# KiCad board 8-Bit CPU 32k.kicad_pcb (continued)
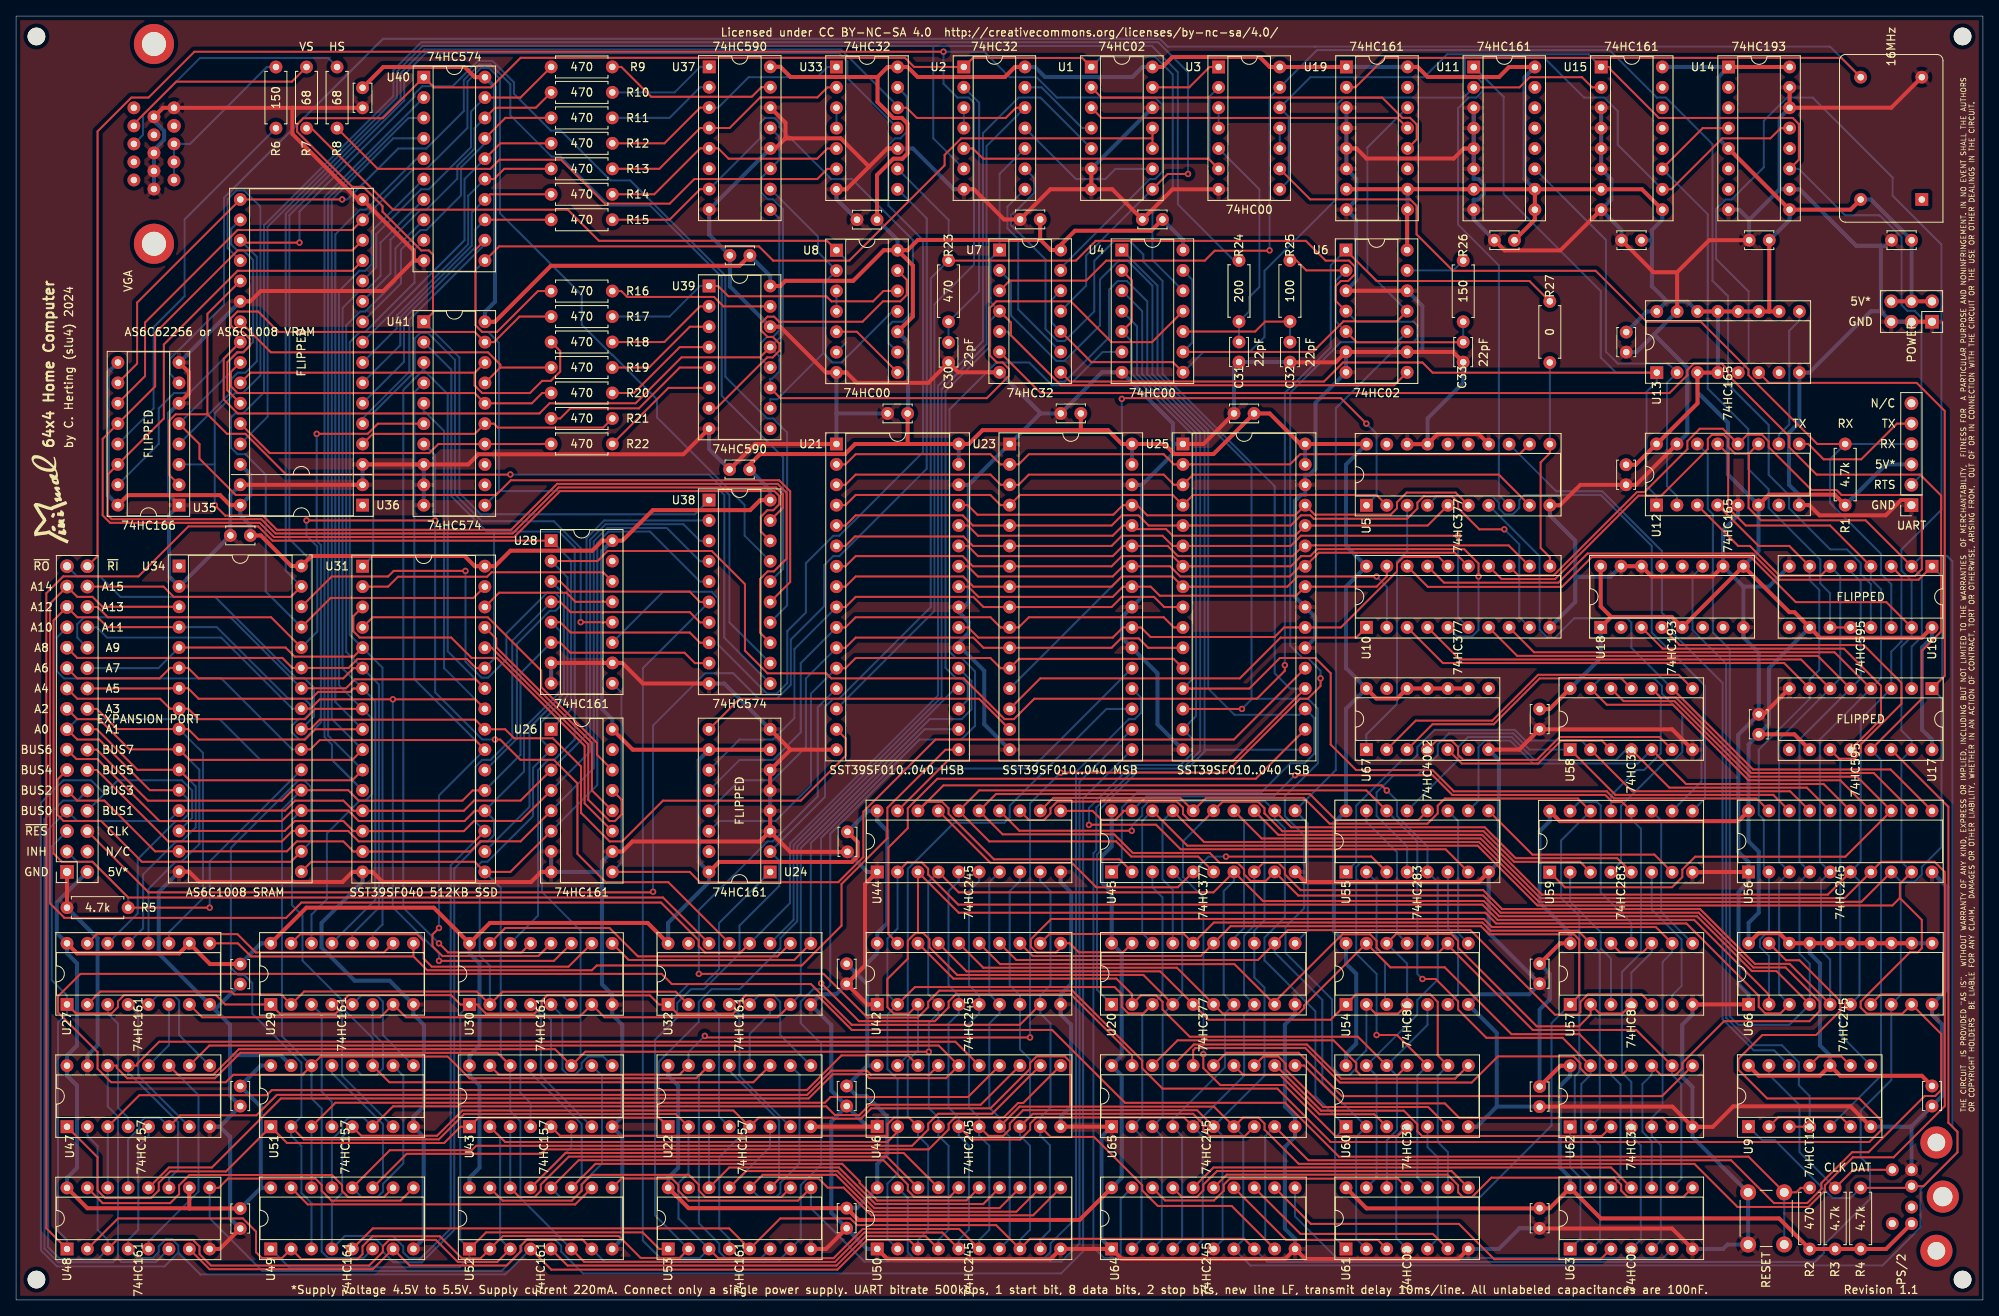
[diagram p0: board, top side]
## Routing (per net, layer and track width the routed paths; a pad name or vN(x,y) marks a point on that pad's centre or on a via; arc(x,y) is an arc through that point) (continued)
/ALU/BUS4: length 734.8
  Top w0.25: U28.3 67.81,89.56 69.08,88.28 83.94,88.28 85.23,86.99 U38.6 ; U46.6 121.17,20.45 123.03,20.45 123.83,21.25 123.83,21.99 125.49,23.65 147.18,23.65 U65.6 ; U10.13 187.2,90.31 191.61,90.31 202,100.7 202.93,100.7 208.28,106.05 208.28,107.05 209.82,108.58 212.7,108.58 214.59,106.69 215.74,107.84 217.58,107.84 218.4,107.01 218.4,106.29 223.75,100.95 226.86,100.95 227.48,100.33 237.49,100.33 237.49,91.07 236.65,90.23 234.89,90.23 U16.3 ; U45.13 157.31,57.97 182.7,57.97 190.15,50.52 225.78,50.52 U56.6 ; J3.11 5.16,64.86 5.16,60.45 5.91,59.7 10.59,59.7 15.68,54.61 34.25,54.61 U34.18 ; U51.2 35.86,20.01 52.68,20.01 55.83,23.17 82.22,23.17 U22.2 ; U53.3 87.51,5.2 101.88,5.2 105.52,8.85 117.53,8.85 U50.6
  Bottom w0.25: U44.6 120.02,52.21 118.74,50.94 118.74,39.24 120.02,37.97 U42.6 120.02,35.71 118.74,34.44 118.74,24 120.02,22.73 U46.6 120.02,20.47 121.29,19.21 121.29,8.75 120.02,7.49 U50.6 ; U22.2 83.8,15.82 82.55,14.57 82.55,10.16 U53.3 85.22,5.23 80.27,5.23 78.11,7.4 78.11,78.73 U38.6 ; U66.6 229.73,37.97 229.73,52.21 U56.6 229.87,54.61 229.87,72.39 U17.3 233.68,80.79 234.95,82.06 234.95,90.17 U16.3 ; U64.6 150.36,7.49 150.36,20.47 U65.6 155.57,27.94 155.57,38.92 154.31,40.18 U20.13 154.31,46.05 155.57,47.31 155.57,59.7 U45.13 ; U49.3 36.82,12.07 35.56,13.34 35.56,19.18 34.28,20.46 U51.2 35.56,22.87 35.56,29.57 29.44,35.69 29.44,39.5 28.44,40.49 27.69,40.49 26.77,41.4 26.77,56.35 35.2,64.77 35.92,64.77 36.76,63.92 36.76,57.12 U34.18 ; U31.18 63.98,61.45 63.98,71.32 68.27,75.6 68.27,87.97 U28.3
/ALU/BUS5: length 934.4
  Top w0.25: 215.94,105.5 215.94,100.25 215.9,100.2 215.9,98.71 217.44,97.17 230.49,97.17 U16.2 ; 215.94,105.5 214.2,105.5 213.35,106.35 213.35,107.3 212.83,107.81 211.32,107.81 210.82,107.31 210.82,106.05 205.02,100.25 202.19,100.25 198.9,96.96 191.79,89.85 185.12,89.85 U10.14 ; 215.94,105.5 U12.11 ; 240.35,38.1 240.35,53.34 239.08,54.61 232.41,54.61 U56.7 227.87,50.07 189.96,50.07 182.51,57.52 155.22,57.52 U45.14 ; 240.35,38.1 240.35,24.16 233.97,17.78 228.9,17.78 225.42,14.3 225.42,13.64 223.37,11.59 214.52,11.59 209.15,16.96 159.85,16.96 155.58,21.23 155.58,21.98 154.83,22.73 152.9,22.73 U65.7 149.27,24.1 131.35,24.1 ; 240.35,38.1 232.4,38.1 U66.7 ; U28.4 67.81,87.01 69.1,85.72 83.96,85.72 85.23,84.45 U38.7 ; U51.5 43.03,20.46 52.46,20.46 55.62,23.62 89.39,23.62 U22.5 92.55,22.72 101.74,22.72 101.86,22.6 105.29,22.6 106.57,23.88 121.43,23.88 126.37,28.82 126.37,29.55 127.18,30.37 130.69,30.37 131.35,29.71 131.35,24.1 ; U46.7 125.06,24.1 131.35,24.1 ; U31.19 57.14,57.15 42.7,57.15 41.39,58.45 U34.19 34.43,58.45 33.12,57.15 18.97,57.15 10.07,66.05 J3.12
  Bottom w0.25: U28.4 61.84,82.17 61.84,70.03 59.12,67.31 58.09,67.31 57.26,66.48 57.26,59.59 U31.19 54.16,54.17 54.16,8.91 50.44,5.19 49,5.19 48.25,5.94 48.25,6.68 46.95,7.98 40.98,7.98 U49.4 39.36,12.06 40.64,13.34 40.64,20.33 U51.5 ; U20.14 151.77,45.1 153.04,46.36 153.04,59.7 U45.14 ; 122.55,53.34 121.29,52.07 121.29,38.12 U42.7 122.56,35.71 121.29,34.44 121.29,24 122.56,22.73 U46.7 123.83,20.34 123.83,7.62 U50.7 ; U17.2 236.22,81.42 237.49,82.69 237.49,90.17 U16.2 237.49,92.71 240.66,92.71 241.3,92.07 241.3,21.59 241.94,20.95 241.94,18.41 237.33,13.81 237.33,9.06 232.57,4.3 153.83,4.3 U64.7 152.94,7.53 152.94,20.43 U65.7 ; U22.5 87.63,17.8 87.63,8.89 88.89,7.63 U53.4
/ALU/BUS6: length 876.1
  Top w0.25: U51.11 46.52,27.13 91.88,27.13 U22.11 ; U45.17 148.05,57.07 182.32,57.07 189.78,49.62 229.96,49.62 U56.8 ; U46.8 126.7,23.2 146.68,23.2 147.96,21.92 147.96,21.2 148.72,20.44 153.15,20.44 U65.8 ; U16.1 237.08,89.76 219.64,89.76 216.38,93.03 195.83,93.03 192.2,89.4 177.95,89.4 U10.17 ; U17.1 240.35,77.79 240.35,110.81 236.85,114.3 218.44,114.3 U13.6 ; U64.8 153.05,7.62 126.36,7.62 U50.8 122.13,9.33 104.81,9.33 103.97,10.16 95.23,10.16 U53.5 88.87,8.92 44.46,8.92 U49.5 ; J3.13 7.52,67.42 10.14,67.42 17.87,59.69 33.12,59.69 34.43,61 U34.20 41.39,61 42.7,59.69 55.88,59.69 57.16,60.97 U31.20 ; U38.8 85.23,81.91 83.96,83.19 69.1,83.19 67.81,84.47 U28.5
  Bottom w0.25: U34.20 34.39,59.83 34.39,49.21 35.69,47.91 35.69,42.3 40.77,37.22 40.77,36.29 44.44,32.62 U51.11 ; 234.88,52.14 236.62,52.14 237.49,53.02 237.49,53.97 239.94,56.43 239.94,75.02 U17.1 240.03,77.47 240.03,90.17 U16.1 ; 234.88,52.14 234.88,38.03 U66.8 233.69,27.39 229.87,23.58 229.87,17.82 231.04,16.65 231.04,12.6 225.28,6.84 225.28,5.84 224.19,4.75 155.92,4.75 U64.8 ; 234.88,52.14 U56.8 ; 125.09,53.34 125.09,52.21 123.83,50.94 123.83,39.24 125.1,37.97 U42.8 125.1,31.24 126.36,29.98 126.36,22.87 U46.8 125.1,20.47 126.36,19.21 126.36,8.75 125.1,7.49 U50.8 ; U28.5 67.81,83.35 67.81,75.78 63.31,71.28 63.31,65.86 U31.20 59.57,59.82 59.57,57.94 58.79,57.16 58.02,57.16 54.61,53.75 54.61,8.72 50.58,4.69 47.04,4.69 45.71,6.02 45.71,6.7 44.88,7.53 43.07,7.53 U49.5 ; U20.17 144.15,51.13 142.88,52.4 142.88,59.69 U45.17
/ALU/BUS7: length 988.1
  Top w0.25: U42.9 125.1,34.3 104.13,34.3 99.06,39.37 81.72,39.37 80.45,40.64 8.03,40.64 5.22,37.84 5.22,35.84 10.16,30.9 10.16,28.81 11.83,27.13 26.14,27.13 27.07,28.06 35.67,28.06 U51.14 37.95,30.34 53.79,30.34 56.49,27.63 84.76,27.63 U22.14 ; U46.9 128.93,20.31 134.34,20.31 140.33,14.32 140.33,13.66 142.28,11.71 151.5,11.71 U64.9 ; U16.15 233.07,86.97 221.79,86.97 216.18,92.58 196.35,92.58 192.65,88.88 175.93,88.88 U10.18 ; 234.76,50.1 237.49,47.37 237.49,43.84 236.98,43.33 236.02,43.33 229.87,37.19 229.87,36.46 230.65,35.68 235.06,35.68 U66.9 239.9,33.16 239.9,26.16 239.16,25.42 237.85,25.42 230.84,18.41 228.81,18.41 224.97,14.58 224.97,13.83 223.21,12.07 219.07,12.07 213.73,17.41 161.04,17.41 U65.9 ; 234.76,50.1 233.83,49.17 189.59,49.17 182.14,56.62 145.96,56.62 U45.18 ; 234.76,50.1 234.76,51.88 U56.9 ; J3.14 10.07,68.59 16.43,62.23 33.12,62.23 34.43,63.53 U34.21 41.39,63.53 42.7,62.23 55.63,62.23 56.91,63.51 U31.21 ; U28.6 67.81,81.94 69.08,80.66 83.3,80.66 84.6,79.37 U38.9
  Bottom w0.25: U34.21 33.14,61.12 33.14,32.89 U51.14 36.82,25.12 38.09,23.84 38.09,6.03 38.9,5.22 43.3,5.22 U49.6 ; U13.5 215.9,116.86 215.9,125.71 211.85,129.75 211.85,135.96 213.05,137.16 213.79,137.16 217.81,141.18 217.81,146.97 220.7,149.86 223.9,149.86 233.86,139.9 233.86,137.62 239.94,131.54 239.94,98.5 234.95,93.51 234.95,90.91 236.22,89.64 U16.15 236.22,82.69 234.95,81.42 234.95,70.98 236.22,69.71 U17.15 234.95,67.31 234.95,54.61 U56.9 ; U50.9 127.64,7.49 128.83,8.68 128.83,19.28 127.64,20.47 U46.9 127.64,22.73 128.9,23.99 128.9,34.45 127.64,35.71 U42.9 127.64,37.97 128.9,39.23 128.9,50.94 127.64,52.21 U44.9 ; U22.14 85.09,27.96 85.09,9.55 87.63,7.01 87.63,6 88.4,5.23 92.84,5.23 U53.6 ; U64.9 155.67,7.54 155.67,20.42 U65.9 ; U45.18 140.33,59.69 140.33,45.73 U20.18 ; U31.21 62.86,67.95 62.86,78.11 U28.6
/ALU/C_FLG: length 70.4
  Bottom w0.25: U59.9 210.48,62.51 210.48,76.54 203.83,83.19 203.83,93.98 197.48,100.33 187.96,100.33 187.33,99.7 187.33,98.71 186.51,97.9 185.54,97.9 184.78,98.66 184.78,99.37 183.98,100.17 177.03,100.17 U5.4
/ALU/EC: length 127.6
  Top w0.25: v1(133.7,59.2) 133.73,59.23 142.06,59.23 145.12,56.17 178.14,56.17 U55.7
  Bottom w0.25: v1(133.7,59.2) 133.7,61.31 139.06,66.67 145.12,66.67 146.59,68.14 146.59,69.94 U25.15 147.04,72.75 147.04,108.04 139.7,115.38 139.7,121.34 U4.4
/ALU/ES: length 213.1
  Top w0.25: 201.29,36.83 200.17,35.71 197.34,35.71 196.21,36.83 196.21,35.56 194.76,34.1 189.51,34.1 179.7,43.91 179.7,44.77 178.86,45.61 171.98,45.61 U54.12 ; 203.83,44.45 202.71,43.33 199.88,43.33 U57.12 ; U54.2 169.41,35.7 172.22,35.7 U54.4 ; U25.14 v1(152.77,73.66) ; 175.89,45.61 175.89,44.46
  Bottom w0.25: U4.1 142.24,126.42 142.24,115.39 153.96,103.67 153.96,74.85 ; U54.12 173.35,41.91 U54.4 ; 203.83,44.45 203.83,43.32 201.29,40.78 201.29,36.83 ; U54.2 168.27,31.12 167,29.84 167,28.89 166.18,28.06 164.98,28.06 164,29.04 164,37.46 158.19,43.26 158.19,46.5 160.52,48.82 160.52,57.91 158.12,60.31 158.12,62.77 162.24,66.89 162.24,73.68 160.99,74.93 154.04,74.93 153.96,74.85 ; 153.96,74.85 v1(152.77,73.66)
/ALU/N_FLG: length 98.5
  Top w0.25: U56.11 233.6,66.12 216.46,66.12 U58.9
  Bottom w0.25: U5.7 189.87,92.7 189.87,83.51 190.83,82.55 191.77,82.55 194.17,84.95 200.77,84.95 201.29,84.43 201.29,81.28 U58.9 210.03,72.55 210.03,64.6 U59.10
/ALU/Z_FLG: length 32.6
  Bottom w0.25: U5.3 173.36,93.33 172.08,92.06 172.08,74.29 168.27,70.48 U67.1
/ALU/~{AND}: length 145.4
  Bottom w0.25: U64.19 137.66,12.57 137.66,5.36 137.53,5.23 135.59,5.23 134.26,6.57 134.26,55.69 134.62,56.06 134.62,61.38 139.47,66.23 145.35,66.23 147.56,68.44 147.56,108.16 140.33,115.38 140.33,123.25 U4.3
/ALU/~{EO}: length 145
  Top w0.25: U4.5 139.06,121.96 139.06,127.06 U4.2 ; U56.19 216.9,62.5 199.12,62.5 198.23,63.39 179.18,63.39 176.53,66.04 167,66.04 163.83,69.22 163.83,78.1 161.93,80.01 157.5,80.01 153.69,76.2 U25.13
  Bottom w0.25: U25.13 146.58,77.37 146.58,107.86 139.06,115.38 139.06,119.44 U4.5
/ALU/~{OR}: length 158
  Top w0.25: U65.19 139.07,30.47 131.44,38.1 117.12,38.1 116.21,37.19 116.21,36.45 114.5,34.75 105.04,34.75 v1(100.33,39.46)
  Bottom w0.25: v1(100.33,39.46) 100.31,39.48 100.31,57.57 112.58,69.85 117.8,69.85 119.51,71.55 119.51,78.34 117.84,80.01 117.11,80.01 116.33,80.8 116.33,111 122.16,116.84 126.26,116.84 129.1,114 131.26,114 135.42,118.16 U4.6
/Control Logic/2MHz: length 45.9
  Top w0.25: U19.12 174.55,144.66 174.55,146.51 173.73,147.33 172.77,147.33 170.24,149.86 135.27,149.86 U1.2
/Control Logic/4MHz: length 40.5
  Top w0.25: U1.3 135.27,147.32 172.14,147.32 U19.13
/Control Logic/8MHz: length 70.7
  Top w0.25: U6.11 172.08,121.97 165.41,121.97 161.6,118.16 U4.9
  Bottom w0.25: U4.9 146.57,119.31 146.57,127.17 U4.13 ; U6.11 168.4,128.2 168.4,143.63 173.37,148.6 U19.14
/Control Logic/CE: length 184.4
  Top w0.25: U52.7 70.57,7.52 63.65,7.52 62.86,6.72 62.86,6.02 61.12,4.29 49.05,4.29 U49.7 44.45,3.83 24.11,3.83 U48.7
  Bottom w0.25: U52.7 73.31,4.78 94.93,4.78 U53.7 97.79,7.64 97.79,14.31 100.33,16.85 100.33,31.95 97.79,34.49 97.79,37.19 99.34,38.73 100.96,38.73 101.46,39.23 101.46,58.09 109.6,66.24 126.56,66.24 U23.21
/Control Logic/Flag0: length 71.7
  Top w0.25: U5.2 169.53,100.33 146.68,100.33 U25.4 144.14,100.33 125.09,100.33 U23.4 122.69,99.06 121.42,100.33 104.63,100.33 103.36,99.06 U21.4
/Control Logic/Flag1: length 64.1
  Top w0.25: U21.28 118.6,96.52 119.87,95.25 136.66,95.25 137.93,96.52 U23.28 139.51,96.07 143.32,96.07 144.14,95.25 159.38,95.25 U25.28 175.91,96.52 U5.5
/Control Logic/Flag2: length 68.3
  Top w0.25: U5.6 179.4,100.62 173.29,100.62 172.09,99.42 172.09,98.67 171.31,97.88 161.83,97.88 U25.29 159.38,97.79 140.97,97.79 139.7,99.06 U23.29 137.93,99.06 136.74,97.87 119.79,97.87 118.6,99.06 U21.29
/Control Logic/Flag3: length 90.6
  Top w0.25: U5.9 184.77,102.87 146.68,102.87 U25.3 144.28,101.6 143.01,102.87 126.22,102.87 124.95,101.6 U23.3 122.69,101.6 121.42,102.87 104.63,102.87 103.36,101.6 U21.3
/Control Logic/Flag4: length 89.5
  Top w0.25: U5.12 187.34,105.41 160.02,105.41 158.75,104.14 U25.2 144.28,104.14 143.01,105.41 126.22,105.41 124.95,104.14 U23.2 122.69,104.14 121.42,105.41 104.63,105.41 103.36,104.14 U21.2
/Control Logic/Inst0: length 76.8
  Top w0.25: v1(169.54,90.17) 159.7,90.17 158.43,88.9 U25.8 144.14,90.17 137.79,90.17 136.52,88.9 U23.8 119.29,88.9 118.02,90.17 104.63,90.17 103.36,88.9 U21.8
  Bottom w0.25: v1(169.54,90.17) 170.82,88.9 U10.2
/Control Logic/Inst1: length 96.6
  Top w0.25: v1(182.25,90.17) 182.25,91.79 180.46,93.58 162.16,93.58 161.28,92.71 160.15,92.71 158.88,91.44 U25.7 144.14,92.71 137.79,92.71 136.52,91.44 U23.7 119.24,91.44 117.97,92.71 104.63,92.71 103.36,91.44 U21.7
  Bottom w0.25: v1(182.25,90.17) 182.25,83.5 181.45,82.7 179.57,82.7 U10.5
/Control Logic/Inst2: length 92
  Top w0.25: v1(179.7,95.25) 160.12,95.25 158.85,93.98 U25.6 144.14,93.98 142.87,95.25 137.79,95.25 136.52,93.98 U23.6 119.24,93.98 118.06,95.16 104.54,95.16 103.36,93.98 U21.6
  Bottom w0.25: v1(179.7,95.25) 179.71,95.25 179.71,85.1 U10.6
/Control Logic/Inst3: length 103.3
  Top w0.25: v1(185.46,96.04) 182.35,96.04 179.71,98.69 179.71,99.42 178.96,100.17 175.43,100.17 174.63,99.37 174.63,98.64 173.35,97.37 161.71,97.37 161.28,97.79 160.12,97.79 158.85,96.52 U25.5 141.14,96.52 139.87,97.79 137.79,97.79 136.52,96.52 U23.5 119.24,96.52 117.97,97.79 104.63,97.79 103.36,96.52 U21.5
  Bottom w0.25: U10.9 187.32,85.1 187.32,94.18 v1(185.46,96.04)
/Control Logic/Inst4: length 74.3
  Top w0.25: U21.27 118.6,93.98 119.87,92.71 136.66,92.71 137.93,93.98 U23.27 143.51,93.98 144.78,92.71 159.1,92.71 160.37,93.98 U25.27 160.71,94.04 186.01,94.04 U10.12
/Control Logic/Inst5: length 67
  Top w0.25: U10.15 179.3,93.13 162.34,93.13 U25.26 160.01,91.44 158.74,90.17 145.09,90.17 143.82,91.44 U23.26 137.93,91.44 136.66,90.17 119.87,90.17 118.6,91.44 U21.26
/Control Logic/Inst6: length 67.7
  Top w0.25: U21.23 118.66,83.82 119.93,82.55 136.66,82.55 137.93,83.82 U23.23 140.19,83.82 141.38,82.63 156.84,82.63 158.03,83.82 U25.23 165.1,83.82 172.09,90.81 172.09,91.81 172.88,92.6 177.29,92.6 U10.16
/Control Logic/Inst7: length 57.1
  Top w0.25: U10.19 170.82,90.18 169.54,88.9 U25.25 159.52,87.77 142.53,87.77 141.4,88.9 U23.25 137.93,88.9 136.66,87.63 119.93,87.63 118.66,88.9 U21.25
/Control Logic/MC: length 160.8
  Top w0.25: U22.1 80.13,22.72 57.63,22.72 U43.1 55.38,21.59 53.35,19.56 33.77,19.56 U51.1 26.17,16.02 19.2,16.02 17.78,14.6 17.78,13.65 16.83,12.7 11.11,12.7 10.16,13.65 10.16,17.78 U47.1
  Bottom w0.25: U21.20 117.03,76.2 97.35,56.52 97.35,47.19 95.25,45.09 95.25,43.81 90.17,38.73 86.66,38.73 85.08,37.15 85.08,34.67 80.08,29.67 80.08,22.77 U22.1
/Control Logic/ME: length 133.1
  Top w0.25: U32.7 94.92,35.24 73.33,35.24 U30.7 70.16,35.24 48.57,35.24 U29.7 45.39,35.24 23.18,35.24 U27.7
  Bottom w0.25: U32.7 97.8,38.12 97.8,56.33 113.85,72.39 117.84,72.39 119.06,73.6 119.06,77.16 U21.21
/Control Logic/MZ: length 198.4
  Top w0.25: 126.2,32.72 86.03,32.72 v1(85.84,32.91) ; v1(130.18,65.72) 150.81,65.72 160.02,74.93 160.97,74.93 162.56,76.52 v1(162.56,77.47) ; U22.15 82.67,28.08 60.17,28.08 U43.15
  Bottom w0.25: 126.2,32.72 126.36,32.88 126.36,61.91 v1(130.18,65.72) ; U6.10 173.35,120.65 172.53,119.83 172.08,119.38 165.1,119.38 158.79,113.07 158.79,81.55 160.32,80.01 160.98,80.01 162.56,78.43 v1(162.56,77.47) ; v1(85.84,32.91) 83.8,30.88 U22.15
  vias: v1(126.36,32.72)
/Control Logic/Step0: length 76.2
  Top w0.25: U25.12 144.25,79.9 124.98,79.9 U23.12 122.69,78.74 121.42,80.01 104.63,80.01 103.36,78.74 U21.12
  Bottom w0.25: U21.12 99.06,75.56 99.06,64.13 94.61,59.69 87.63,59.69 86.36,58.42 U24.14
/Control Logic/Step1: length 74.5
  Top w0.25: U25.11 141.08,81.28 139.91,82.46 137.7,82.46 136.52,81.28 U23.11 120.56,81.28 119.29,82.55 104.63,82.55 103.36,81.28 U21.11
  Bottom w0.25: U21.11 98.42,77.47 98.42,68.89 94.31,64.77 90.16,64.77 U24.13
/Control Logic/Step2: length 74.6
  Top w0.25: U25.10 144.28,83.82 143.01,85.09 126.22,85.09 124.95,83.82 U23.10 122.69,83.82 121.42,85.09 104.63,85.09 103.36,83.82 U21.10
  Bottom w0.25: U21.10 97.79,79.38 97.79,70.74 94.36,67.31 90.16,67.31 U24.12
/Control Logic/Step3: length 74.6
  Top w0.25: U21.9 103.36,86.36 104.63,87.63 119.29,87.63 120.56,86.36 U23.9 136.52,86.36 137.79,87.63 141.81,87.63 143.08,86.36 U25.9
  Bottom w0.25: U24.11 90.16,69.85 94.33,69.85 97,72.52 97,81.13 U21.9
/Control Logic/VREG_CP: length 181.7
  Top w0.25: U1.10 U1.11 ; 141.61,144.78 117.78,144.78 115.71,142.71 115.71,141.41 103.84,129.54 94.35,129.54 92.58,131.31 60.2,131.31 U40.11
  Bottom w0.25: 60.19,100.82 U41.11 ; 60.19,100.82 87.78,100.82 88.27,100.33 88.27,82.54 U38.11 ; 60.19,100.82 60.19,119.28 58.82,120.64 58.09,120.64 57.26,121.48 57.26,128.37 U40.11
/Control Logic/~{AI}: length 144.2
  Bottom w0.25: U7.2 123.98,126.91 123.98,122.7 129.65,117.03 130.65,117.03 135.08,121.46 135.08,127.19 137.43,129.54 138.49,129.54 141.61,126.42 141.61,115.39 148.56,108.43 148.56,76.21 151.83,72.93 159.92,72.93 U25.19 161.79,72.52 161.79,68.09 160.59,66.9 158.82,66.9 155.24,63.31 139.76,63.31 137.8,61.36 137.8,54.62 U45.1
/Control Logic/~{AO}: length 166.5
  Top w0.25: U25.20 151.67,67.22 116.12,67.22 U44.19
  Bottom w0.25: U2.9 126.88,139.83 126.88,137.98 124.72,135.83 124.63,135.83 123.98,135.18 123.98,134 128.28,129.7 128.28,121.01 129.77,119.52 130.68,119.52 134.36,123.21 134.36,129.5 136.86,132 138.79,132 140.48,130.3 140.48,129.39 142.88,127 142.88,115.39 156.84,101.42 156.84,78.1 158.75,76.2 U25.20
/Control Logic/~{BI}: length 143.6
  Bottom w0.25: 148.11,68.58 U25.17 ; 148.11,68.58 148.11,108.25 140.97,115.39 140.97,124.46 138.43,127 137.3,127 136.21,125.91 136.21,119.98 130.68,114.45 129.73,114.45 123.48,120.7 U7.5 ; 148.11,68.58 148.11,68.34 145.55,65.78 139.69,65.78 135.07,61.16 135.07,55.87 134.71,55.51 134.71,38.66 U20.1
/Control Logic/~{BO}: length 71.9
  Top w0.25: U25.18 154.49,64.96 114.8,64.96 111.12,61.28 111.12,58.8 108.71,56.39 108.71,45.61 U42.19
/Control Logic/~{CIH}: length 134
  Top w0.25: U53.9 97.45,12.38 83.77,12.38 82.54,13.62 82.54,14.33 81.73,15.14 75.45,15.14 U52.9
  Bottom w0.25: U53.9 99.05,11.44 105.71,4.78 130.25,4.78 132.53,7.06 132.53,64.59 U23.18
/Control Logic/~{CIL}: length 213.9
  Top w0.25: U49.9 47.92,12.38 39.3,12.38 38.09,13.6 38.09,14.34 37.3,15.12 26.41,15.12 25.26,13.97 U48.9
  Bottom w0.25: U48.9 24.13,10.16 30.67,3.62 60.51,3.62 63,6.11 63,6.86 63.67,7.53 67.14,7.53 67.93,6.74 67.93,6.02 70.66,3.3 130.22,3.3 132.98,6.06 132.98,62.5 U23.17
/Control Logic/~{COH}: length 102.7
  Bottom w0.25: U23.20 140.21,75.05 140.21,73.18 139.42,72.39 138.68,72.39 132.08,65.79 132.08,10.21 128.9,7.03 128.9,6 128.13,5.23 111.85,5.23 111.12,5.95 111.12,12.72 U50.19
/Control Logic/~{COL}: length 62.1
  Bottom w0.25: U46.19 111.12,30.48 111.12,53.72 116.88,59.48 123.17,59.48 123.83,60.13 123.83,61.59 135.89,73.66 U23.19
/Control Logic/~{FF}: length 254.6
  Top w0.25: v1(85.09,40.64) 100.63,40.64 106.08,35.2 112.38,35.2 113.67,36.49 113.67,37.17 115.05,38.55 131.63,38.55 140.34,29.84 140.34,28.87 142.87,26.34 157.17,26.34 163.83,19.69 230.95,19.69 232.41,21.14 232.41,22.39 229.69,25.12 218.21,25.12 214.63,28.7 214.63,30.03 217.62,33.02 224.31,33.02 227.33,36.04 227.33,37.25 222.24,42.34 220.57,42.34 U66.19
  Bottom w0.25: U21.13 99.9,73.87 99.9,62.76 94.29,57.15 93.65,57.15 85.09,48.59 v1(85.09,40.64)
/Control Logic/~{FI}: length 85
  Top w0.25: v1(137.8,112.31) 137.88,112.39 165.1,112.39 v1(168.27,109.22)
  Bottom w0.25: U5.1 169.54,100.31 169.54,107.95 v1(168.27,109.22) ; v1(137.8,112.31) 137.8,90.17 U23.13
/Control Logic/~{IC}: length 40.6
  Top w0.25: U23.15 120.01,74.93 90.16,74.93 U24.9
/Control Logic/~{II}: length 48.7
  Top w0.25: U10.1 167,82.55 157.58,82.55 152.5,77.47 127.63,77.47 U23.14
/Control Logic/~{KO}: length 214.8
  Top w0.25: U17.13 237.49,74.93 237.49,80.91 239.89,83.31 239.89,100.26 237.28,102.87 224.37,102.87 220.94,106.3 220.94,107.66 213.36,115.25 213.36,115.89 212.55,116.7 209.07,116.7 208.28,115.91 208.28,115.27 206.04,113.03 127.7,113.03 U7.6
  Bottom w0.25: U17.13 232.41,67.31 232.41,27.95 U9.5
/Control Logic/~{MIH}: length 63.3
  Top w0.25: U30.9 76.35,42.37 96.97,42.37 U32.9
  Bottom w0.25: U21.18 113.22,71.12 99.04,56.94 U32.9
/Control Logic/~{MIL}: length 113
  Top w0.25: 49.52,42.81 51.25,41.09 71.76,41.09 72.36,41.69 97.9,41.69 102.87,46.65 102.87,51.84 108.58,57.55 108.58,61.34 115.83,68.58 U21.17 ; 49.52,42.81 U29.9 ; 49.52,42.81 29.27,42.81 27.64,44.45 U27.9
/Control Logic/~{MZ}: length 133.1
  Top w0.25: U7.4 123.98,121.83 123.98,120.23 130.2,114 171.74,114 U6.8
  Bottom w0.25: U2.10 122.57,140.35 U7.1 121.44,129.73 121.44,124.37 U7.4 121.41,122.08 121.41,118.86 115.82,113.27 115.82,78.79 117.15,77.47 117.8,77.47 118.6,76.67 118.6,74.79 U21.19
/Control Logic/~{NI}: length 125.7
  Top w0.25: U26.9 83.96,53.35 85.24,52.07 102.47,52.07 105.6,55.2 105.6,60.86 114.59,69.85 151.76,69.85 U25.21
  Bottom w0.25: U28.9 75.43,75.73 75.43,54.48 U26.9
/Control Logic/~{PS2_DR}: length 96.8
  Bottom w0.25: U5.13 191.95,100.78 197.67,100.78 205.09,93.36 U18.13 205.09,85.65 206.38,84.37 206.38,83.19 212.66,76.9 212.66,34.99 216.53,31.12 219.08,31.12 U9.12
/Control Logic/~{RI_PLS}: length 247.4
  Top w0.25: U31.31 57.01,87.5 39.2,87.5 U34.29 ; v1(146.05,140.33) 143.51,140.33 141.62,138.44 U1.8
  Bottom w0.25: U34.29 31.11,88.29 31.11,102.87 28.58,105.41 27.61,105.41 26.78,106.23 26.78,109.97 27.3,110.49 28.27,110.49 30.9,113.13 30.9,133.94 47.03,150.06 47.03,153.28 50.49,156.75 142.34,156.75 146.05,153.03 v1(146.05,140.33) ; U7.11 133.35,126.41 133.35,130.17 U1.8
/Control Logic/~{RI}: length 312
  Top w0.25: v1(115.57,155.57) 115.57,155.57 22.22,155.57 16.51,149.86 14.37,149.86 10.16,145.65 10.16,92.72 J3.32
  Bottom w0.25: U7.13 130.19,128.6 141.29,139.7 141.93,139.7 142.88,140.64 142.88,148.93 141.94,149.86 129.7,149.86 127.16,152.4 123.83,152.4 120.65,155.57 115.57,155.57 v1(115.57,155.57) 115.57,151.61 117.32,149.86 118.73,149.86 119.38,149.21 119.38,129.04 114.44,124.11 114.44,85.87 U21.14
/Control Logic/~{RO}: length 129
  Top w0.25: U34.24 36.68,71.16 37.85,72.33 57.22,72.33 U31.24 60.95,71.13 62.08,70 66.89,70 70.41,66.49 70.41,60.71 73.97,57.15 75.53,57.15 80.61,62.23 97.79,62.23 103.38,67.82 103.38,69.97 U21.15
  Bottom w0.25: U34.24 37.13,72.73 37.13,76.3 35.96,77.47 34.96,77.47 24.8,87.63 13.01,87.63 10.46,90.18 7.62,90.18 J3.31
/Control Logic/~{TI_PLS}: length 144.3
  Top w0.25: U7.8 131.33,114.47 163,114.47 165.36,116.84 175.26,116.84 176.53,115.57 204.45,115.57 U13.1
  Bottom w0.25: U12.1 204.44,100.2 203.2,101.43 203.2,113.19 204.46,114.45 U13.1 199.38,115.58 197.48,117.47 197.48,125.73 185.38,137.84 185.38,149.94 U11.1
/Control Logic/~{TO}: length 186.9
  Top w0.25: v1(156.21,130.81) 156.17,130.77 149.37,130.77 148.14,129.54 135.86,129.54 133.37,127.05 123.83,127.05 U7.3
  Bottom w0.25: U16.13 231.14,89.22 229.87,90.49 229.87,91.83 228.16,93.55 226.09,93.55 220.94,98.69 220.94,100.31 218.4,102.85 218.4,109.06 213.35,114.12 213.35,125.08 211.41,127.03 211.41,144.05 205.59,149.86 204.47,149.86 198.56,155.77 162.12,155.77 U3.13 156.21,149.86 v1(156.21,130.81)
/Control Logic/~{UART_DR}: length 114.6
  Top w0.25: U14.13 219.89,146.05 218.62,144.78 212.63,144.78 206.28,138.43 U15.10
  Bottom w0.25: U5.8 184.78,100.32 184.78,128.94 179.7,134.02 179.7,148.52 181.04,149.86 181.98,149.86 182.78,150.66 182.78,151.64 181.87,152.54 180.72,152.54 180.52,152.74 180.52,154.68 180.65,154.81 190.45,154.81 195.39,149.86 197.91,149.86 199.59,148.18 199.59,143.99 U15.10
/Control Logic/~{V_NEXT}: length 211.9
  Top w0.25: U39.11 95.26,112.39 120.97,112.39 123.74,115.16 123.74,116.04 122.94,116.84 122.24,116.84 121.35,117.73 121.35,123.65 122.16,124.46 131.44,124.46 136.52,119.38 141.56,119.38 U4.11 ; U39.13 92.71,117.48 82.93,117.48 77.21,111.76 66.49,111.76 65.22,110.49 27.62,110.49 25.88,112.24 25.88,117.31 U36.24
  Bottom w0.25: U36.24 21.59,113.03 19.69,113.03 17.78,111.12 17.78,106.69 U35.15 ; U37.13 95.12,144.95 95.12,142.11 U37.11 92.86,139.85 92.86,138 93.68,137.18 94.32,137.18 95.56,135.94 95.56,120.33 U39.13 95.13,117.61 95.13,115.72 94.21,114.8 93.98,114.8 U39.11
/Control Logic/~{V_RI_PLS}: length 198.3
  Bottom w0.25: 114.3,156.21 114.3,144.78 115.93,143.16 U2.6 ; U36.29 31.35,110.09 31.35,133.75 47.48,149.88 47.48,153.1 50.68,156.3 115.57,156.3 ; 115.57,156.3 141.52,156.3 144.78,153.03 144.78,136.55 151.76,129.56 R24.1
/Control Logic/~{VREG_OE}: length 235.6
  Top w0.25: U41.1 51.96,123.07 51.96,130.28 51.43,130.81 50.49,130.81 45.67,135.63 45.67,136.33 43.27,138.73 41.9,138.73 35.02,145.61 35.02,146.52 35.79,147.28 45.69,147.28 U40.1 52.08,151.13 59.19,151.13 62.87,154.81 110.77,154.81 111.91,153.68 U2.1 119.23,154.8 132.87,154.8 U1.1
  Bottom w0.25: U1.1 135.26,154.94 141.94,154.94 144.14,152.74 144.14,138.24 141.61,135.7 141.61,129.6 U4.12 ; U38.1 84.58,97.91 57.92,97.91 55.24,100.59 55.24,117.48 U41.1
/Memory and MAR/BANK0: length 41.6
  Top w0.25: U26.14 72.39,67.97 72.39,69.44 65.44,76.39 65.44,78.44 58.79,85.09 44.44,85.09 U31.4
/Memory and MAR/BANK1: length 33.9
  Top w0.25: U26.13 75.48,62.33 75.48,60.54 74.64,59.69 73.96,59.69 71.31,62.34 71.31,69.25 59.27,81.29 U31.28
/Memory and MAR/BANK2: length 29.4
  Top w0.25: U26.12 71.76,63.52 71.76,69.44 59.83,81.36 59.83,82.42 U31.29
/Memory and MAR/BANK3: length 50.3
  Top w0.25: U26.11 70.86,61.88 70.86,69.06 59.9,80.02 56.77,80.02 54.23,82.56 42.82,82.56 42.03,83.35 42.03,85.22 U31.3
/Memory and MAR/BANK4: length 32.3
  Top w0.25: U31.2 46.36,88.91 47.6,90.14 58.7,90.14 59.26,90.7 73.16,90.7 U28.14
/Memory and MAR/BANK5: length 17.1
  Top w0.25: U28.13 69.71,87.01 68.58,88.15 60.2,88.15 U31.30
/Memory and MAR/BANK6: length 86.2
  Top w0.25: U28.12 v1(70.36,84.47)
  Bottom w0.25: U31.1 44.51,92.78 44.51,110.54 49.68,115.72 49.68,119.84 50.38,120.53 51.32,120.53 54.69,117.16 54.69,100.42 58.05,97.05 67.03,97.05 70.36,93.72 v1(70.36,84.47)
/Memory and MAR/BANK7: length 118.9
  Bottom w0.25: U33.13 111.02,149.97 111.02,145.6 110.19,144.78 109.53,144.78 108.71,143.96 108.71,136.4 113.03,132.08 113.03,105.69 102.59,95.25 101.85,95.25 98.42,91.82 98.42,85.68 96.1,83.35 96.1,76.87 94.8,75.56 93.59,75.56 87.51,81.64 87.51,87.43 86.68,88.26 80.64,88.26 U28.11